# Altium PCB GN-1846-E-V2.PcbDoc (part 6 of 8)
Units mil, origin at the board's own origin, x right, y up, seen from the top; angles counter-clockwise.
Board outline 3750.16 x 2671.81 mil, 4 copper layers (TOP, GND, POWER, BOTTOM), stack 40.359 mil thick; 456 components, 457 nets, 2346 pads, 1495 vias.
Unrouted connection lines stored in the file: 4.
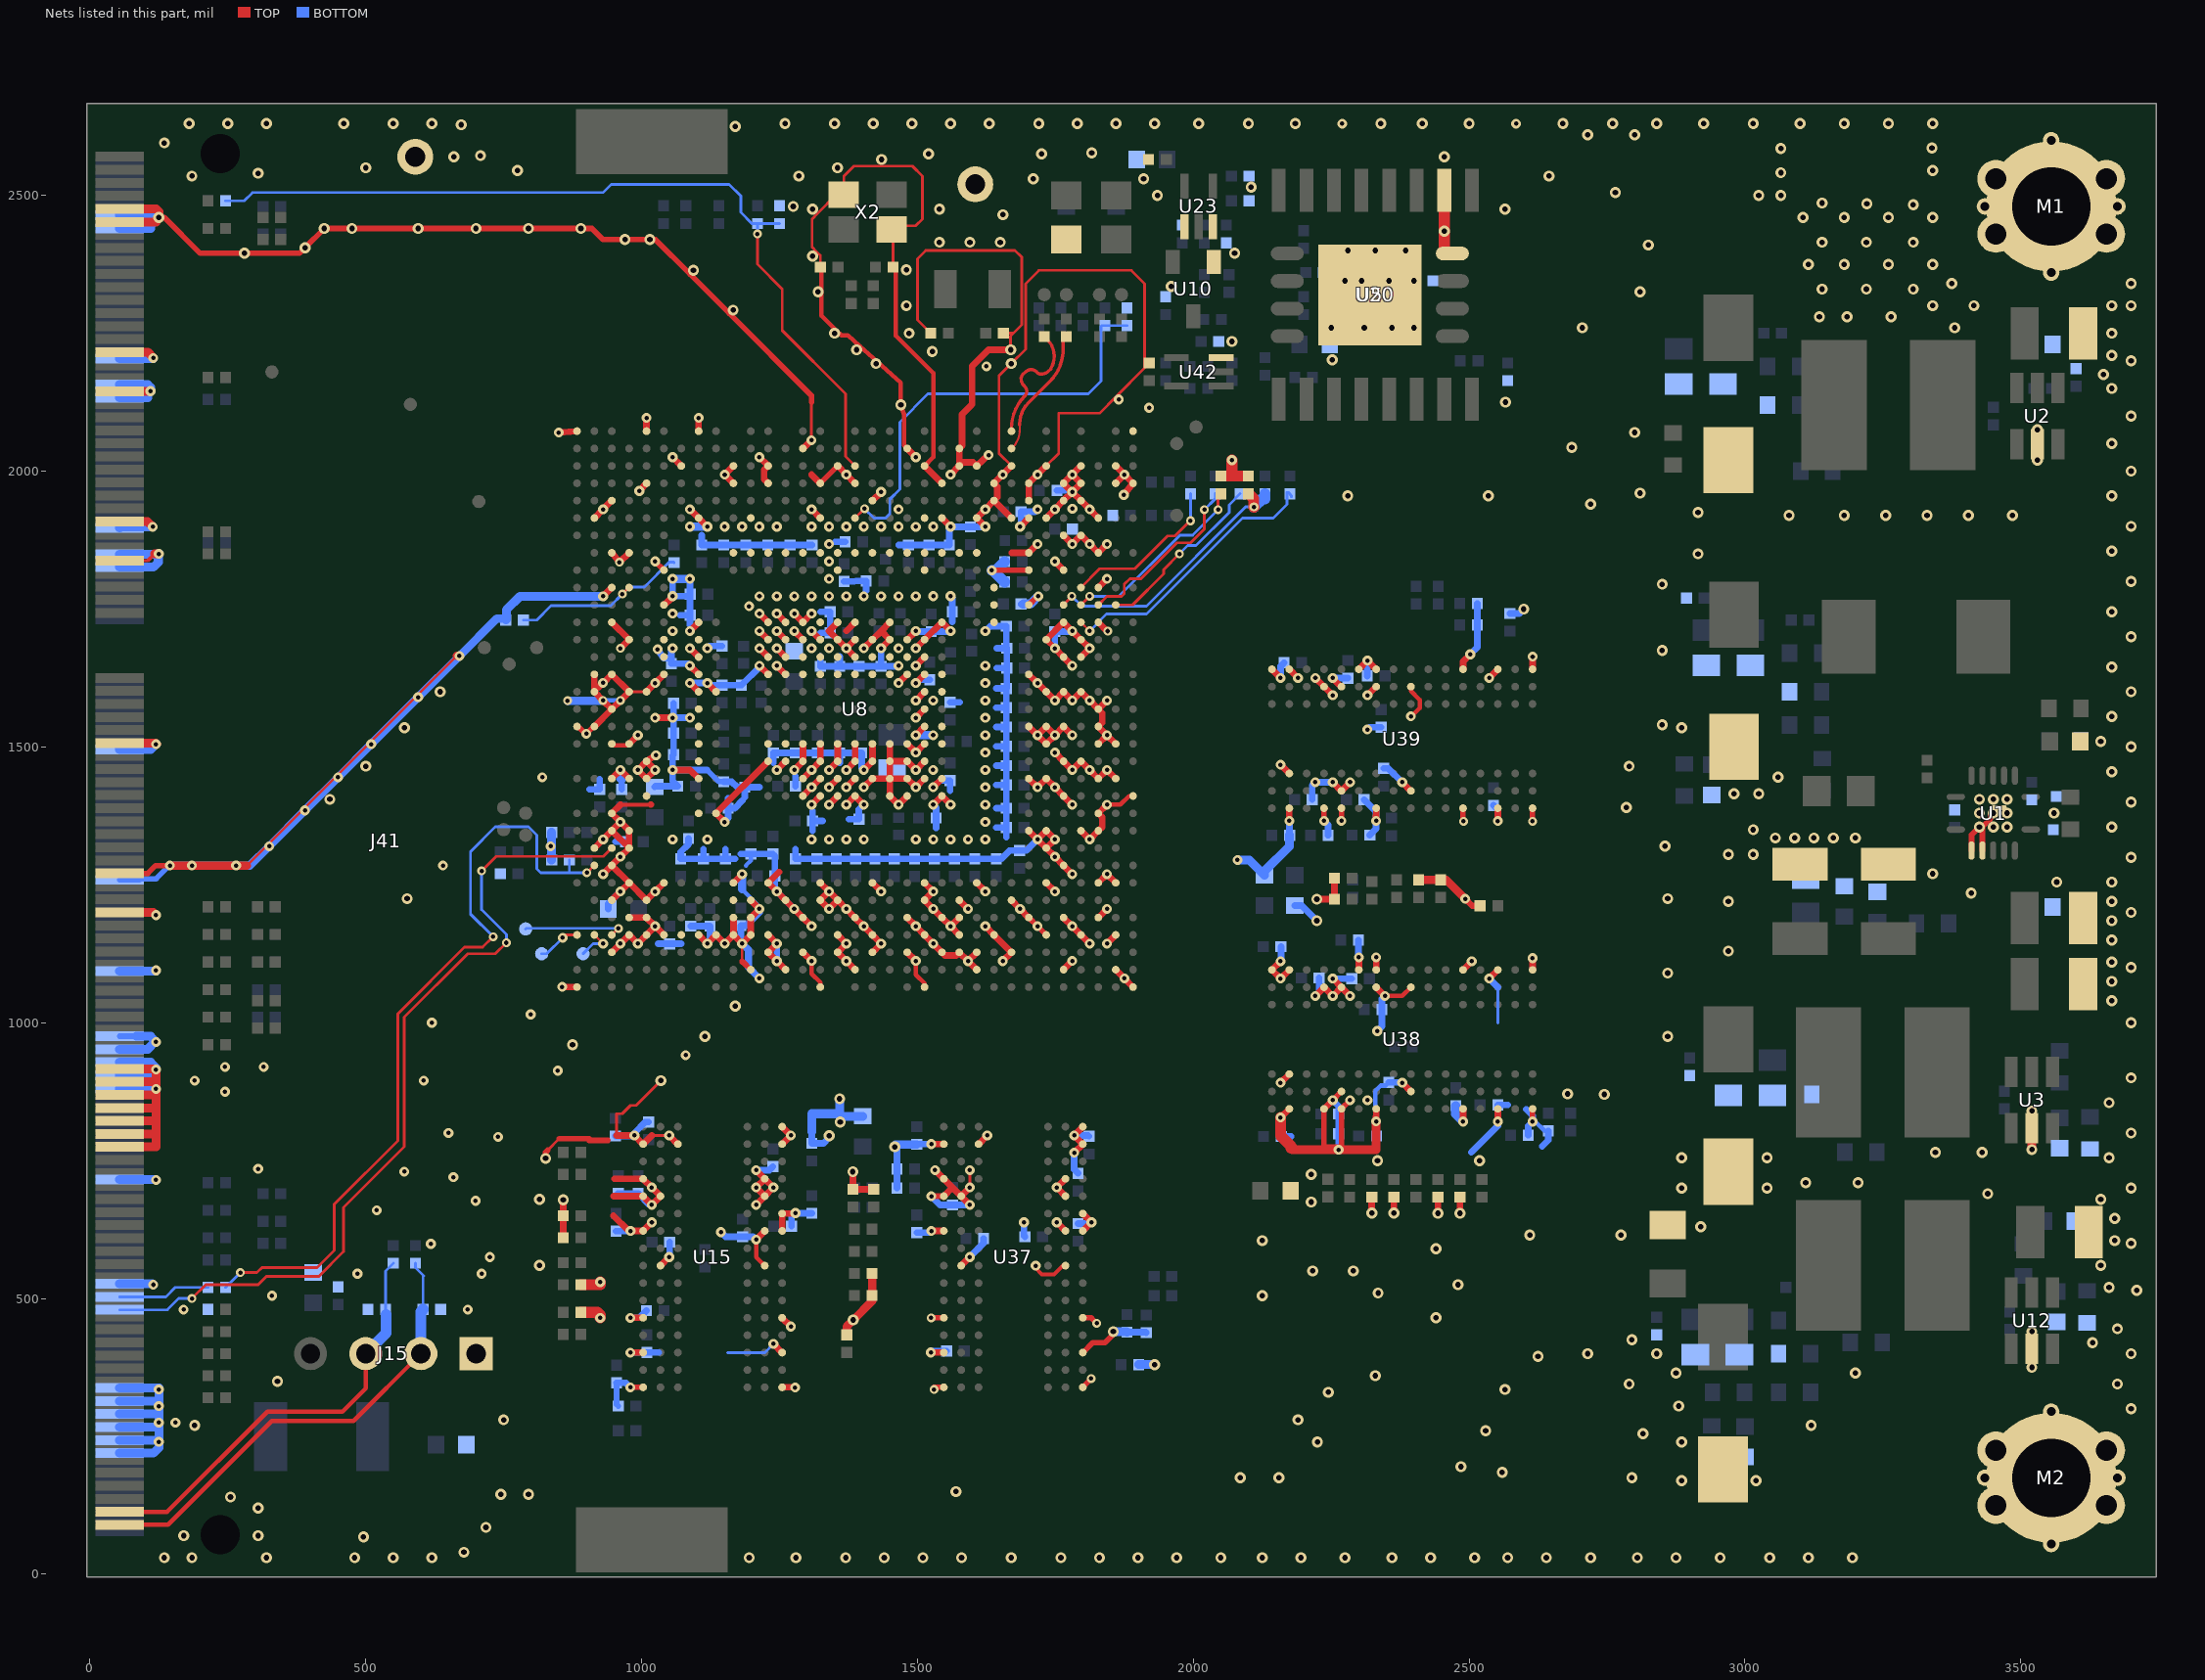
[diagram p8: the nets of this part, all layers, seen from the top]

## Via types
v1: diameter 18, hole 8, TOP to BOTTOM, 763 vias
v2: diameter 20, hole 10, TOP to BOTTOM, 451 vias
v3: diameter 16, hole 8, TOP to BOTTOM, 281 vias

## Nets (pads, with @x,y where several pads share a name; then routed paths per layer and width w, separated by ;. In a path a pad name is that pad's centre, name@x,y a point inside that pad or via, vN(x,y) a via of type N, cw(c..) or ccw(c..) an arc to the next point about the centre after c; other vN are vias at no path point) (continued)
GND: C1.2 C2.2 C3.2 C4.2 C5.2 C6.2 C8.2 C10.2 C11.2 C12.2 C13.2 C14.2 C15.2 C16.2 C22.2 C23.2 C24.2 C25.2 C35.2 C43.2 C45.2 C51.2 C52.2 C54.2 C61.2 C62.2 C68.2 C72.2 C74.2 C75.2 C78.2 C80.2 C81.2 C82.2 C83.2 C88.2 C89.2 C90.2 C91.2 C92.2 C93.2 C94.2 C95.2 C96.2 C97.2 C98.2 C100.2 C101.2 C109.2 C112.2 C124.2 C125.2 C133.2 C135.2 C136.2 C138.2 C140.2 C141.2 C142.2 C143.2 C147.2 C148.2 C149.2 C151.2 C152.2 C153.2 C156.2 C157.2 C159.2 C160.2 C161.2 C163.2 C164.2 C165.2 C166.2 C167.2 C168.2 C169.2 C170.2 C171.2 C172.2 C173.2 C174.2 C175.2 C176.2 C194.2 C197.2 C198.2 C199.2 C200.2 C204.2 C206.2 C207.2 C213.2 C220.2 C237.2 C238.2 C239.2 C240.2 C241.2 C242.2 C243.2 C244.2 C245.2 C246.2 C272.2 C274.2 C275.2 C276.2 C283.2 C307.2 C309.2 C311.2 C312.2 C324.1 C325.1 C356.2 C384.2 C387.2 C388.2 C390.2 C392.2 C394.2 C395.2 C397.2 C398.2 C399.2 C400.2 C401.2 C403.2 C404.2 C405.2 C406.2 C407.2 C408.2 C411.2 C417.2 C424.2 C426.2 C427.2 C428.2 C430.2 C431.2 C434.2 C435.2 C438.2 C442.2 C443.2 C446.2 C447.2 C448.2 C449.2 C450.2 C452.2 C455.2 C456.2 C458.1 C459.1 C460.2 C461.2 C462.2 C467.2 C468.2 C470.2 C471.2 C472.2 C478.2 C480.2 C483.2 C484.2 C486.2 C496.2 C511.2 C525.2 C526.2 C527.2 C555.2 C564.2 C576.2 C578.2 C581.2 C582.2 C583.2 C584.2 C586.2 C587.2 C588.2 C589.2 C590.2 C591.2 C592.2 C593.2 C594.2 C595.2 C597.2 C599.2 C1247.2 C1249.2 C1253.2 C1255.2 C1349.2 C1350.2 C1351.2 C1352.2 D15.2 J4.1 J5.1 J15.1 J41.9 J41.10 J41.11 J41.12 J41.31 J41.32 J41.36 J41.37 J41.38 J41.57 J41.58 J41.62 J41.63 J41.64 J41.83 J41.84 J41.103 J41.104 J41.109 J41.118 J41.128 J41.130 J41.132 J41.133 J41.134 J41.135 J41.136 J41.137 J41.139 J41.141 J41.143 J41.145 J41.150 J41.166 J41.182 J41.184 J41.186 J41.188 J41.190 J41.192 M1.1 M1.2 M1.3 M1.4 M1.5 M1.6 M1.7 M1.8 M1.9 M2.1 M2.2 M2.3 M2.4 M2.5 M2.6 M2.7 M2.8 M2.9 R8.1 R11.1 R13.1 R19.2 R24.2 R39.1 R40.1 R41.1 R80.2 R82.2 R96.2 R106.2 R131.2 R168.1 R169.1 R170.1 R197.2 R198.2 R199.1 R206.2 R219.2 R253.1 R267.2 R269.2 R271.2 R273.2 R276.2 R278.2 R281.2 R282.2 R284.2 R286.2 R289.2 R290.2 R321.2 R322.2 R323.2 R326.1 R335.2 R371.2 R373.2 R689.2 R690.2 R701.2 R702.2 R703.2 U1.2 U1.3 U1.15 U2.2 U3.2 U5.4 U5.9 U8.A1 U8.A16 U8.A33 U8.AA1 U8.AA4 U8.AA6 U8.AA7 U8.AA13 U8.AA14 U8.AA15 U8.AA16 U8.AA17 U8.AA18 U8.AA19 U8.AA20 U8.AA21 U8.AA25 U8.AA26 U8.AA28 U8.AA31 U8.AB3 U8.AB5 U8.AB12 U8.AB13 U8.AB15 U8.AB16 U8.AB18 U8.AB19 U8.AB22 U8.AB26 U8.AB28 U8.AB30 U8.AC3 U8.AC4 U8.AC5 U8.AC6 U8.AC26 U8.AC31 U8.AC32 U8.AD2 U8.AD3 U8.AD7 U8.AD26 U8.AD28 U8.AD31 U8.AE4 U8.AE22 U8.AE23 U8.AE24 U8.AE29 U8.AE30 U8.AF3 U8.AF6 U8.AF28 U8.AF31 U8.AG5 U8.AG10 U8.AG13 U8.AG16 U8.AG19 U8.AG23 U8.AG25 U8.AG26 U8.AG28 U8.AG29 U8.AG30 U8.AH4 U8.AH7 U8.AH9 U8.AH10 U8.AH13 U8.AH15 U8.AH16 U8.AH18 U8.AH21 U8.AH28 U8.AH31 U8.AJ2 U8.AJ5 U8.AJ8 U8.AJ12 U8.AJ14 U8.AJ16 U8.AJ18 U8.AJ20 U8.AJ22 U8.AJ25 U8.AJ27 U8.AJ29 U8.AJ30 U8.AK4 U8.AK10 U8.AK14 U8.AK18 U8.AK20 U8.AK21 U8.AK27 U8.AK29 U8.AK30 U8.AK31 U8.AL5 U8.AL7 U8.AL10 U8.AL11 U8.AL13 U8.AL15 U8.AL16 U8.AL17 U8.AL22 U8.AL24 U8.AL26 U8.AL28 U8.AM2 U8.AM4 U8.AM7 U8.AM13 U8.AM15 U8.AM30 U8.AM31 U8.AN1 U8.AN12 U8.AN30 U8.AN33 U8.B9 U8.B16 U8.B18 U8.B19 U8.B28 U8.C3 U8.C6 U8.C8 U8.C10 U8.C11 U8.C13 U8.C15 U8.C17 U8.C19 U8.C22 U8.C24 U8.C26 U8.C29 U8.D4 U8.D5 U8.D7 U8.D9 U8.D10 U8.D13 U8.D15 U8.D18 U8.D21 U8.D26 U8.E4 U8.E5 U8.E6 U8.E12 U8.E13 U8.E14 U8.E18 U8.E30 U8.E33 U8.F4 U8.F7 U8.F19 U8.F20 U8.F21 U8.F23 U8.F25 U8.G4 U8.G31 U8.H4 U8.H11 U8.H13 U8.H14 U8.H15 U8.H16 U8.H17 U8.H18 U8.H19 U8.H20 U8.H21 U8.H22 U8.H28 U8.H33 U8.J4 U8.J11 U8.J18 U8.K4 U8.K5 U8.K6 U8.K7 U8.K26 U8.K30 U8.K31 U8.L2 U8.L4 U8.L5 U8.L6 U8.L26 U8.L28 U8.M3 U8.M4 U8.M7 U8.M14 U8.M15 U8.M19 U8.M20 U8.M21 U8.M22 U8.M26 U8.M30 U8.M31 U8.N2 U8.N6 U8.N14 U8.N15 U8.N19 U8.N20 U8.N21 U8.N22 U8.N26 U8.P3 U8.P5 U8.P12 U8.P13 U8.P14 U8.P15 U8.P19 U8.P20 U8.P21 U8.P22 U8.P26 U8.P32 U8.R1 U8.R6 U8.R7 U8.R12 U8.R13 U8.R14 U8.R15 U8.R19 U8.R20 U8.R21 U8.R22 U8.R26 U8.R28 U8.R30 U8.T3 U8.T4 U8.T6 U8.T12 U8.T13 U8.T14 U8.T15 U8.T19 U8.T20 U8.T21 U8.T22 U8.T25 U8.T26 U8.T31 U8.U2 U8.U5 U8.U12 U8.U13 U8.U14 U8.U15 U8.U19 U8.U20 U8.U21 U8.U22 U8.U26 U8.U30 U8.V3 U8.V4 U8.V7 U8.V13 U8.V14 U8.V15 U8.V19 U8.V20 U8.V21 U8.V26 U8.V29 U8.W12 U8.W13 U8.W14 U8.W15 U8.W19 U8.W20 U8.W21 U8.W22 U8.W26 U8.Y3 U8.Y5 U8.Y12 U8.Y13 U8.Y14 U8.Y15 U8.Y19 U8.Y20 U8.Y21 U8.Y26 U8.Y32 U10.1 U12.2 U15.A9 U15.B1 U15.B3 U15.B9 U15.D1 U15.D8 U15.E1 U15.E2 U15.E8 U15.F9 U15.G1 U15.G8 U15.G9 U15.J2 U15.J8 U15.M1 U15.M9 U15.P1 U15.P9 U15.T1 U15.T9 U20.10 U23.1 U23.3 U37.A9 U37.B1 U37.B3 U37.B9 U37.D1 U37.D8 U37.E1 U37.E2 U37.E8 U37.F9 U37.G1 U37.G8 U37.G9 U37.J2 U37.J8 U37.M1 U37.M9 U37.P1 U37.P9 U37.T1 U37.T9 U38.A9 U38.B1 U38.B3 U38.B9 U38.D1 U38.D8 U38.E1 U38.E2 U38.E8 U38.F9 U38.G1 U38.G8 U38.G9 U38.J2 U38.J8 U38.M1 U38.M9 U38.P1 U38.P9 U38.T1 U38.T9 U39.A9 U39.B1 U39.B3 U39.B9 U39.D1 U39.D8 U39.E1 U39.E2 U39.E8 U39.F9 U39.G1 U39.G8 U39.G9 U39.J2 U39.J8 U39.M1 U39.M9 U39.P1 U39.P9 U39.T1 U39.T9 U42.3 X2.2 X2.4 | length 30061.1
  TOP w5: v1@115.08,1199.92 v1@117.5,1197.5 ; 285,1285 v1@665,1665 ; 830,769 851,790 ; 954.69,795.69 954.69,824.69 955,825 955,835 965,835 980,850 990,850 v2(1035,895) ; U8.D18@977.5,1600.05 U8.E18@1009,1600.05 ; 1018.59,795.69 v1(1050.1,795.69) ; 1182.21,1112 v1(1182.21,1143.36) ; v1(1308,2056) 1308,2125 ; C458.1@1324,2370 1324,2391 1317.5,2397.5 1309,2406 1309,2457 1318.5,2466.5 1353.5,2501.5 X2.4@1366.69,2501.5 1366.69,2535 1384.69,2553 1435,2553 1491,2553 1509,2535 1509,2457 1497,2445 X2.2@1456,2445 ; C459.1@1456,2370 X2.2@1456,2445 ; C325.1@1524,2250 1500,2274 1500,2385 1515,2400 1677,2400 1689,2388 1689,2265 1674,2250 ; v1(1595.08,701.2) v1(1595.1,732.7) ; C324.1@1656,2250 1674,2250 ; v2(1669,2220) 1669,2245 1674,2250 ; U8.AF31@1670.41,2009.49 1648,2031.9 1648,2173 v2(1670,2195) 1696,2221 1696,2340 1720,2364 1888,2364 1912,2340 1912,2196 1912,2187 1860,2135 1830,2105 1756,2105 1756,2032.08 U8.AH31@1733.41,2009.49 ; X2.2@1446.81,2445 1446,2445 X2.2@1453.31,2438.5 ; X2.2@1446.81,2445 X2.2@1453.31,2438.5 ; X2.2@1446.81,2445 X2.2@1456,2445 ; X2.2@1453.31,2438.5 X2.2@1456,2445
  TOP w6: J41.63@54,1837.72 105,1837.72 v1@117.28,1850
  TOP w7: 961.8,1395.36 1016.66,1395.36 ; v1@1714.47,559.44 1714.47,555.1 1725.87,543.7 1747.69,543.7 1763.46,559.47 U37.J8@1768.31,559.47
  TOP w8: U8.A16@883.01,1537.05 U8.A16@885,1537.05 ; U8.C15@946.01,1505.56 948.58,1503.01 968.82,1503 974.94,1503 U8.D15@977.5,1505.56 ; v1(1207.56,606.71) 1207.56,575.22 U15.J8@1223.31,559.47 ; v1(1308.2,1111.87) 1308.2,1088.8 1323.96,1073.04 U8.R1@1323.96,1064.61 ; C458.1@1324,2370 1326,2368 1326,2325 1326,2282 1354,2254 1362,2246 1374,2246 1395.8,2226.47 1427.64,2197.95 1470,2160 v2(1470,2120) 1470,2119 1476,2103 1476,2046.43 U8.Y32@1481.44,2040.99 ; C459.1@1456,2370 1461,2365 1461,2245.68 1528.68,2178 1528.68,2025.24 U8.AA31@1512.93,2009.49 ; v1(1497.18,1111.87) 1497.18,1087.03 1512.93,1071.28 U8.AA1@1512.93,1064.61 ; v1(1843.63,1395.31) 1868.01,1395.31 1883.77,1411.07 U8.AN12@1890.89,1411.07 ; v1(2347.29,1048.56) 2378.78,1048.56 U38.J8@2394.53,1064.31 ; U39.J8@2394.53,1609.31 2394.52,1601.33 2410.28,1585.57 2410.28,1570.28 2395.52,1555.52 v1(2394.53,1555.52)
  TOP w10: J41.103@54,1270.79 105,1270.79 119.21,1285 v1(145,1285) ; v1@117.5,1197.5 v1(120,1195) ; v1@120,1850 v1(125,1850) ; v2(125,2460) 135,2460 200,2395 v2(280,2395) 380,2395 v2(390,2405) v2(425,2440) v2(475,2440) v2(595,2440) v2(700,2440) v2(795,2440) v2(890,2440) 910,2440 930,2420 v2(970,2420) v2(1015,2420) 1025,2420 1087.5,2357.5 1159.5,2285.5 1308,2137 1308,2125 ; v2(826,754) 826,765 830,769 ; 851,790 905,790 905,786.73 939.5,786.73 ; U8.A16@885,1537.05 900,1522.05 v1(900,1524) 914.51,1538.51 U8.B16@914.51,1537.05 ; v1(979.83,339) U15.T1@1002.84,339 ; v1(1024.75,1836.26) U8.F25@1040.49,1820.52 ; 1182.21,1112 1182.21,1110 1184.08,1110 U8.L2@1197.97,1096.11 ; U8.R30@1323.96,1978 U8.T31@1355.45,2009.49 ; v3(1525,465) U37.M1@1547.84,464.98 ; v1(1525.09,685.47) U37.E1@1547.84,685.46 ; v3(1530,335) 1530,339 U37.T1@1547.84,339 ; v1(1635,1820) 1635.52,1820.52 U8.AG25@1701.91,1820.52 ; U8.AF6@1670.41,1222.09 1685.99,1206.52 U8.AG5@1701.91,1190.6 1717.65,1174.86 U8.AH4@1733.41,1159.1 ; U8.AG23@1701.91,1757.53 1717.38,1773 v1(1719,1773) ; U8.AH21@1733.41,1694.53 v1(1749.14,1678.79) ; U37.T9@1799.8,339 1799.8,339.8 v3(1815,355) ; U37.P9@1799.8,401.99 1817.81,420 1840,420 1855,435 v2(1855,440) ; U37.M9@1799.8,464.98 1815.02,464.98 v3(1825,455) ; U38.D1@2237.05,843.84 2237.05,775 2263.48,775 2268.54,775 U38.E1@2268.54,843.84 v1(2284.28,859.58) ; v1(2237.04,1366.09) U39.D1@2237.05,1388.84 ; v1(2252.8,859.57) U38.E2@2268.54,875.33 ; v1(2268.53,1366.09) U39.E1@2268.54,1388.84 ; U39.M1@2489.02,1388.84 2489.02,1365 v3(2490,1365) ; v1(2615,820.83) U38.T1@2615,843.84 ; v3(2615,1365) U39.T1@2615,1388.84 ; U1.2@3410.63,1312.09 3410.63,1340.63 v2(3425,1355) ; U1.3@3430.32,1312.09 3430.32,1355 3440.16,1364.84 3445,1369.68 3445,1375 v2(3450,1380)
  TOP w12: v1(850,2070) U8.A33@883.01,2072.49 ; v1(856,1065) U8.A1@883.01,1064.61 ; C399.2@858,610 R282.2@858,650 v2(858,679) ; U8.B9@914.51,1316.58 v1(930.25,1332.32) U8.C10@946.01,1348.08 ; U8.B16@914.51,1537.05 U8.C17@946.01,1568.55 ; U8.B18@914.51,1600.05 v3(930.27,1584.29) U8.C17@946.01,1568.55 ; U8.B19@914.51,1631.54 914.51,1608 922,1608 v1(930,1616) 930.47,1616 U8.C19@946.01,1631.54 U8.D18@977.5,1600.05 v3(961.75,1584.29) U8.C17@946.01,1568.55 ; U8.B28@914.51,1915.01 v1(930.27,1930.76) U8.C29@946.01,1946.5 ; v1(930.25,1269.33) U8.C8@946.01,1285.09 ; v1(930.25,1773.26) U8.C24@946.01,1789.02 ; U8.C3@946.01,1127.61 v1(961.75,1143.35) U8.D4@977.5,1159.1 v1(993.26,1143.36) U8.E4@1009,1159.1 v1(1024.75,1174.86) ; U8.C6@946.01,1222.09 v1(961.76,1237.85) U8.D7@977.5,1253.59 ; U8.C13@946.01,1442.57 v1(961.76,1458.32) U8.D13@977.5,1442.57 ; U8.C22@946.01,1726.03 U8.D21@977.5,1694.53 v3(961.72,1678.79) ; U8.C26@946.01,1852.01 v3(960,1835) U8.D26@977.5,1852.01 ; 949,650 976.53,622.47 v1(980.09,622.47) U15.G1@1002.84,622.46 v1(1018.59,638.2) ; 949.46,685.46 U15.E1@1002.84,685.46 v1(1018.58,669.72) U15.E2@1034.33,685.46 v1(1018.57,701.2) U15.D1@1002.84,716.95 950.95,716.95 ; 954.69,795.69 v1(987.1,795.69) U15.B1@1002.84,779.94 1018.59,795.69 ; 961.8,1395.36 U8.C11@946.01,1379.57 v1(961.75,1363.83) ; U8.D5@977.5,1190.6 U8.E5@1009,1190.6 v1(1024.75,1174.86) ; U8.D15@977.5,1505.56 v1(993.26,1521.32) ; v1(979.83,402) U15.P1@1002.84,401.99 ; v1(979.83,464.99) U15.M1@1002.84,464.98 ; v1(996,1964) U8.E30@1009,1978 ; U8.E18@1009,1600.05 v1(1024.75,1615.8) U8.F19@1040.49,1631.54 ; U8.E33@1009,2072.49 v1(1009,2096.49) ; 1016.66,1395.36 1016.7,1395.4 ; v1(1024.74,1552.81) v1(1056.25,1552.8) ; v1(1026,1485) U8.E14@1009,1474.06 ; U15.J2@1034.33,559.47 v1(1050.08,575.21) ; U8.F4@1040.49,1159.1 v1(1024.75,1174.86) ; U8.F7@1040.49,1253.59 v1(1024.75,1237.85) U8.E6@1009,1222.09 U8.D7@977.5,1253.59 ; U8.F23@1040.49,1757.53 v1@1055,1770 ; v1(1050.1,795.69) U15.B3@1065.83,779.94 ; v1(1056.24,1458.32) 1087.74,1458.32 U8.H13@1103.49,1442.57 ; v1(1056.23,2025.25) U8.G31@1071.99,2009.49 ; v1(1087.75,1615.79) U8.H18@1103.49,1600.05 ; v1(1087.75,1647.28) U8.H19@1103.49,1631.54 ; v1(1087.73,1678.8) U8.H20@1103.49,1663.04 ; v1(1087.75,1710.27) U8.H22@1103.49,1726.03 ; v1(1087.74,1930.74) U8.H28@1103.49,1915.01 v1(1119.22,1899.25) ; U8.H4@1103.49,1159.1 v1(1119.24,1143.36) U8.J4@1134.98,1159.1 v1(1150.74,1143.36) U8.K4@1166.48,1159.1 ; U8.H33@1103.49,2072.49 v1(1103.49,2096.49) ; v1(1119.22,1615.79) U8.J18@1134.98,1600.05 ; v1(1150.72,1363.83) U8.J11@1134.98,1379.57 U8.M14@1229.47,1474.06 ; U8.K5@1166.48,1190.6 U8.K4@1166.48,1159.1 ; U8.K7@1166.48,1253.59 v1(1182.22,1269.34) ; U8.K30@1166.48,1978 v1(1150.74,1993.75) U8.K31@1166.48,2009.49 ; U8.L6@1197.97,1222.09 v1(1213.71,1206.35) U8.L5@1197.97,1190.6 U8.L4@1197.97,1159.1 v1(1182.21,1143.36) U8.K4@1166.48,1159.1 ; v1(1207.56,606.71) U15.G8@1223.31,622.46 ; v1(1207.56,669.72) U15.E8@1223.31,685.46 ; v1(1207.58,732.7) U15.D8@1223.31,716.95 ; v1(1213.71,2025.25) U8.M31@1229.47,2009.49 1222,2002.01 1222,1985.47 U8.M30@1229.47,1978 ; v1(1213.73,1647.28) U8.M19@1229.47,1631.54 ; v1(1213.73,1678.78) U8.M20@1229.47,1663.04 ; v1(1213.73,1710.27) U8.M21@1229.47,1694.53 ; v1(1213.73,1741.77) U8.M22@1229.47,1726.03 ; U8.M4@1229.47,1159.1 v1(1245.21,1143.36) U8.M3@1229.47,1127.61 v1(1245.21,1111.86) U8.N2@1260.97,1096.11 ; v1(1239.07,417.73) U15.P9@1254.8,401.99 ; v1(1245.21,1458.3) U8.N14@1260.97,1474.06 ; v1(1245.22,1647.3) U8.N19@1260.97,1631.54 ; v1(1245.22,1710.27) U8.N21@1260.97,1694.53 ; v1(1245.22,1741.77) U8.N22@1260.97,1726.03 ; v1(1245.23,1678.78) U8.N20@1260.97,1663.04 ; 1249,1273.12 U8.M7@1229.47,1253.59 v1(1245.21,1237.85) U8.N6@1260.97,1222.09 v1(1276.7,1206.35) U8.P5@1292.46,1190.6 v1(1308.2,1174.86) ; U15.T9@1254.8,339 v1(1278.41,338.7) ; U15.M9@1254.8,464.98 v1(1270.53,449.24) ; U15.G9@1254.8,622.46 U15.F9@1254.8,653.96 1277.96,653.96 v1(1279,655) ; U15.B9@1254.8,779.94 v1(1270.55,795.68) U15.A9@1254.8,811.44 ; v1(1276.72,1458.32) U8.P14@1292.46,1474.06 U8.P15@1292.46,1505.56 ; v1(1276.72,1710.27) U8.P21@1292.46,1694.53 ; v1(1276.72,1741.77) U8.P22@1292.46,1726.03 v1(1308.2,1741.77) ; U8.P3@1292.46,1127.61 v1(1308.2,1111.87) ; U8.P12@1292.46,1411.07 v1(1308.22,1426.82) U8.R13@1323.96,1442.57 ; U8.P13@1292.46,1442.57 v1(1308.22,1458.32) U8.R14@1323.96,1474.06 U8.R15@1323.96,1505.56 ; U8.P32@1292.46,2040.99 v1(1308,2056) ; 1308,1993.76 U8.R30@1323.96,1978 ; v1(1308.22,1395.33) U8.R12@1323.96,1411.07 ; v1(1308.22,1710.27) U8.R21@1323.96,1694.53 ; v1(1308.22,1930.74) U8.R28@1323.96,1915.01 ; U8.R7@1323.96,1253.59 v1(1339.7,1237.85) ; v1(1339.71,1395.33) U8.T12@1355.45,1411.07 ; v1(1339.71,1426.82) U8.T13@1355.45,1442.57 ; v1(1339.71,1458.32) U8.T14@1355.45,1474.06 U8.T15@1355.45,1505.56 ; U8.T4@1355.45,1159.1 v1(1371.19,1143.36) U8.T3@1355.45,1127.61 v1(1371.2,1111.86) U8.U2@1386.95,1096.11 ; U8.T22@1355.45,1726.03 1339.71,1710.27 U8.T21@1355.45,1694.53 v1(1371.21,1678.78) ; U8.T31@1355.45,2009.49 v1(1371.21,1993.74) U8.U30@1386.95,1978 ; v1(1371.21,1395.33) U8.U12@1386.95,1411.07 v1(1402.7,1395.33) ; v1(1371.21,1426.82) U8.U13@1386.95,1442.57 ; v1(1371.21,1458.32) U8.U14@1386.95,1474.06 U8.U15@1386.95,1505.56 ; 1371.21,1710.29 U8.U22@1386.95,1726.03 ; v2(1383,730) R276.2@1383,698 C397.2@1421,698 ; U8.U20@1386.95,1663.04 v1(1371.21,1678.78) ; U8.U21@1386.95,1694.53 v1(1371.21,1678.78) ; v1(1402.7,1426.82) U8.V13@1418.45,1442.57 U8.W13@1449.94,1442.57 ; v1(1402.7,1458.32) U8.V14@1418.45,1474.06 U8.V15@1418.45,1505.56 ; v1(1402.68,1678.77) U8.V21@1418.45,1694.53 1434.2,1710.27 ; U8.V3@1418.45,1127.61 v1(1434.19,1143.36) U8.V4@1418.45,1159.1 v1(1402.69,1174.86) U8.U5@1386.95,1190.6 v1(1371.19,1206.35) U8.T6@1355.46,1222.07 ; U8.V7@1418.45,1253.59 v1(1434.21,1237.83) ; U8.V29@1418.45,1946.5 v1(1434.21,1962.26) ; v1(1434.18,1678.77) U8.W21@1449.94,1694.53 1434.2,1710.27 ; U8.W15@1449.94,1505.56 U8.W14@1449.94,1474.06 ; U8.W22@1449.94,1726.03 1434.2,1710.27 ; v1(1465.68,1615.78) U8.Y19@1481.44,1631.54 ; U8.Y3@1481.44,1127.61 v1(1497.18,1111.87) ; U8.Y5@1481.44,1190.6 v1(1497.2,1174.84) ; U8.Y12@1481.44,1411.07 v1(1465.7,1395.33) U8.W12@1449.94,1411.07 U8.W13@1449.94,1442.57 ; U8.Y15@1481.44,1505.56 v1(1497.19,1489.82) U8.AA15@1512.93,1505.56 ; U8.Y21@1481.44,1694.53 v1(1497.2,1710.29) ; U8.Y32@1481.44,2040.99 v1(1497.19,2025.23) ; v1(1497.2,1174.84) U8.AA4@1512.93,1159.1 ; v1(1497.17,1647.28) U8.AA20@1512.93,1663.04 ; v1(1497.17,1678.77) U8.AA21@1512.93,1694.53 U8.AB22@1544.43,1726.03 v1(1560.18,1710.28) ; v1(1497.19,1521.31) U8.AA16@1512.93,1537.05 ; v1(1497.19,1552.81) U8.AA17@1512.93,1568.55 ; v1(1497.19,1584.3) U8.AA18@1512.93,1600.05 ; v1(1497.19,1615.8) U8.AA19@1512.93,1631.54 ; U8.AA4@1512.93,1159.1 v1(1528.67,1143.36) U8.AB3@1544.43,1127.61 1550,1122.04 1570.28,1121.96 U8.AC3@1575.93,1127.61 v1(1591.66,1111.85) ; U8.AA7@1512.93,1253.59 v1(1528.67,1237.85) U8.AA6@1512.93,1222.09 v1(1528.69,1206.34) U8.AB5@1544.43,1190.6 v1(1560.17,1174.84) ; U8.AA13@1512.93,1442.57 v1(1497.19,1426.82) U8.Y13@1481.44,1442.57 U8.W13@1449.94,1442.57 ; U8.AA14@1512.93,1474.06 v1(1497.19,1458.32) U8.Y14@1481.44,1474.06 U8.W14@1449.94,1474.06 ; U8.AA31@1512.93,2009.49 U8.AB30@1544.43,1978 ; v1(1524.2,402.08) U37.P1@1547.84,401.99 ; v1(1525.09,622.47) U37.G1@1547.84,622.46 ; v1(1525.09,779.95) U37.B1@1547.84,779.94 ; v1(1528.59,1395.33) U8.AB12@1544.43,1411.07 v1(1560.17,1395.33) ; v1(1528.59,1426.82) U8.AB13@1544.43,1442.57 ; v1(1532.1,732.69) U37.D1@1547.84,716.95 1563.4,701.39 ; U8.AB28@1544.43,1915.01 v1(1560.19,1899.25) ; U37.E1@1547.84,685.46 1563.4,701.02 1563.4,701.39 ; v1(1560.17,1993.73) U8.AC31@1575.93,2009.49 ; U8.AC4@1575.93,1159.1 v1(1560.17,1174.84) ; U8.AC5@1575.93,1190.6 v1(1560.17,1174.84) ; U8.AC6@1575.93,1222.09 v1(1591.69,1206.33) ; U37.J2@1579.33,559.47 v1(1595.08,575.21) ; v1(1595.07,669.71) U37.E2@1579.33,685.46 ; v1(1595.08,701.2) U37.E2@1579.33,685.46 ; U8.AD2@1607.42,1096.11 v1(1591.66,1111.85) ; U8.AD3@1607.42,1127.61 v1(1591.66,1111.85) ; U8.AD7@1607.42,1253.59 v1(1623.18,1237.83) ; U37.B3@1610.83,779.94 v1(1626.57,795.68) ; v1(1623.16,1899.25) U8.AD28@1607.42,1915.01 v1(1623.16,1930.74) U8.AE29@1638.92,1946.5 ; v1(1623.18,1174.84) U8.AE4@1638.92,1159.1 U8.AF3@1670.41,1127.61 v1(1654.65,1111.85) ; v1(1629,2029) U8.AD31@1607.42,2009.49 1600.91,2016 1582.44,2016 U8.AC31@1575.93,2009.49 ; v2(1669,2220) 1629,2220 1599,2190 1599,2121 1581,2103 1581,2046.06 U8.AC32@1575.93,2040.99 U8.AC31@1575.93,2009.49 ; U8.AF6@1670.41,1222.09 1685.99,1206.52 v1(1686.15,1206.36) U8.AG5@1701.91,1190.6 ; U8.AF28@1670.41,1915.01 U8.AE29@1638.92,1946.5 ; U8.AF31@1670.41,2009.49 v1(1654.67,1993.75) U8.AE30@1638.92,1978 1645,1971.92 1645,1952.58 U8.AE29@1638.92,1946.5 ; 1671.01,1852.01 U8.AG26@1701.91,1852.01 v1(1717.65,1867.75) ; v1(1686.15,1899.25) U8.AG28@1701.91,1915.01 ; U8.AG10@1701.91,1348.08 v1(1717.65,1332.34) ; U8.AG13@1701.91,1442.57 v1(1717.67,1426.81) U8.AH13@1733.41,1442.57 1749.17,1426.82 U8.AJ12@1764.9,1411.07 v1(1780.66,1395.31) ; U8.AG16@1701.91,1537.05 v1(1717.65,1521.31) ; U8.AG19@1701.91,1631.54 v1(1717.67,1615.78) U8.AH18@1733.41,1600.05 v1(1749.17,1584.29) U8.AJ18@1764.9,1600.05 v1(1780.66,1584.29) U8.AK18@1796.4,1600.05 v1(1812.16,1584.29) 1811.23,1585.64 1826.99,1569.89 U8.AL17@1829.23,1569.89 ; U8.AG29@1701.91,1946.5 U8.AG30@1701.91,1978 v1(1717.67,1993.75) U8.AH31@1733.41,2009.49 ; U8.AH7@1733.41,1253.59 v1(1749.17,1237.83) ; U8.AH21@1733.41,1694.53 U8.AJ22@1764.9,1726.03 v1(1780.64,1710.29) U8.AK21@1796.4,1694.53 v1(1812.14,1678.79) U8.AK20@1796.4,1663.04 ; U8.AH28@1733.41,1915.01 v1(1749.14,1930.74) U8.AJ29@1764.9,1946.5 v1(1780.64,1962.24) ; v1(1749.14,1489.82) U8.AJ14@1764.9,1474.06 v1(1780.66,1458.3) U8.AK14@1796.4,1474.06 v1(1812.14,1458.32) U8.AL13@1827.89,1442.57 v1(1843.63,1458.31) U8.AM13@1859.39,1442.57 ; v1(1749.14,1678.79) U8.AJ20@1764.9,1663.04 v1(1780.66,1647.3) ; v1(1749.14,1836.28) U8.AJ25@1764.9,1820.52 ; v1(1752.57,638.2) U37.G8@1768.31,622.46 ; U8.AJ2@1764.9,1096.11 v1(1780.66,1111.87) ; U8.AJ5@1764.9,1190.6 v1(1780.64,1174.86) U8.AK4@1796.4,1159.1 v1(1812.16,1143.34) ; U8.AJ27@1764.9,1883.51 1780.65,1867.76 U8.AK27@1796.4,1883.51 v1(1812.16,1867.75) U8.AL26@1827.89,1852.01 v1(1843.65,1867.77) ; U37.E8@1768.31,685.46 v1(1752.57,701.2) U37.D8@1768.31,716.95 ; v1(1780.66,1269.33) U8.AJ8@1764.9,1285.09 v1(1749.15,1300.84) U8.AH9@1733.41,1316.58 ; v1(1780.66,1521.29) U8.AJ16@1764.9,1537.05 v1(1749.17,1521.29) ; v1(1784.06,764.21) U37.B9@1799.8,779.94 v1(1784.06,795.71) U37.A9@1799.8,811.44 ; U8.AK10@1796.4,1348.08 1812.14,1332.33 U8.AL10@1827.89,1348.08 1835.14,1355.33 1835.14,1372.32 U8.AL11@1827.89,1379.57 v1(1843.63,1395.31) ; U8.AK31@1796.4,2009.49 v1(1780.64,1993.74) ; U37.G9@1799.8,622.46 v1(1815.54,638.19) U37.F9@1799.8,653.96 ; U8.AL16@1827.89,1537.05 v1(1843.63,1521.31) ; U8.AL5@1827.89,1190.6 v1(1843.65,1206.36) ; U8.AL7@1827.89,1253.59 v1(1843.63,1269.33) U8.AM7@1859.39,1253.59 ; U8.AL15@1827.89,1505.56 v1(1843.63,1521.31) ; U8.AL16@1827.89,1537.05 1835,1544.16 1835,1561.44 U8.AL17@1827.89,1568.55 U8.AL17@1829.23,1569.89 ; U8.AL22@1827.89,1726.03 1843.65,1710.28 v3(1845,1710) ; U8.AL24@1827.89,1789.02 v1(1843.65,1804.78) ; U8.AL28@1827.89,1915.01 v1(1812.15,1930.75) U8.AK29@1796.4,1946.5 v1(1780.64,1962.24) ; v1(1843.63,1143.34) U8.AM4@1859.39,1159.1 ; v1(1843.65,1584.31) U8.AL17@1829.23,1569.89 ; U8.AM2@1859.39,1096.11 v1(1875.14,1080.36) U8.AN1@1890.89,1064.61 ; U8.AM15@1859.39,1505.56 v1(1843.63,1521.31) ; U8.AM30@1859.39,1978 v1(1875.13,1993.74) ; U8.AM31@1859.39,2009.49 v1(1875.13,1993.74) ; v1(1874,1957) U8.AN30@1890.89,1978 ; U8.AN30@1890.89,1978 v1(1875.13,1993.74) ; U39.A9@2142.56,1640.8 v1(2158.31,1625.06) ; v1(2158.31,828.1) U38.B1@2174.06,843.84 ; v1(2158.31,891.1) U38.B3@2174.06,906.83 ; v1(2158.31,1111.54) U38.A9@2142.56,1095.8 v1(2158.3,1080.06) U38.B9@2174.06,1095.8 ; v1(2158.33,1467.59) U39.B3@2174.06,1451.83 ; v1(2174.05,1366.09) U39.B1@2174.06,1388.84 ; U39.B9@2174.06,1640.8 v1(2189.81,1625.06) ; v1(2221.3,1048.58) U38.D8@2237.05,1064.31 v1(2252.79,1048.57) U38.E8@2268.54,1064.31 ; v1(2221.31,1625.06) U39.D8@2237.05,1609.31 v1(2252.79,1593.57) ; v2(2224,1224) R284.2@2256,1224 C405.2@2256,1262 ; U38.D1@2237.05,843.84 v1(2252.8,859.57) ; v1(2252.8,1080.06) U38.E8@2268.54,1064.31 ; v1(2252.8,1436.08) U39.E2@2268.54,1420.33 v1(2284.29,1436.07) ; v1(2252.8,1625.06) 2252.8,1623.87 2267.36,1609.31 U39.E8@2268.54,1609.31 ; v1(2284.28,1048.56) U38.E8@2268.54,1064.31 ; U38.F9@2300.04,1095.8 v1(2300.05,1118.55) ; U39.F9@2300.04,1640.8 v1(2315.81,1656.54) U39.G9@2331.54,1640.8 ; v1(2315.79,1593.57) U39.G8@2331.54,1609.31 ; v2(2323.52,654.82) R290.2@2323.52,683.82 ; v1(2331.53,821.09) U38.G1@2331.54,843.84 ; U38.G8@2331.54,1064.31 v1(2347.29,1048.56) ; U38.G9@2331.54,1095.8 v1(2331.55,1118.55) ; v1(2331.53,1366.09) U39.G1@2331.54,1388.84 ; v2(2363.52,654.82) C407.2@2363.52,683.82 ; v1(2378.78,891.09) U38.J2@2394.53,875.33 ; v1(2378.78,1436.09) U39.J2@2394.53,1420.33 ; v2(2443.48,654.62) R273.2@2443.48,683.62 ; v2(2483.48,654.62) R271.2@2483.48,683.62 ; v1(2489.01,820.83) U38.M1@2489.02,843.84 ; U38.M9@2489.02,1095.8 v1(2504.76,1111.53) ; U39.M9@2489.02,1640.8 2489.02,1654.84 v1(2502.01,1667.83) ; v1(2492.92,1224.72) 2505.64,1212 C483.2@2520,1212 ; v1(2536.27,1080.07) U38.P9@2552.01,1095.8 ; v1(2536.27,1625.07) U39.P9@2552.01,1640.8 ; v1(2552,820.83) U38.P1@2552.01,843.84 ; v1(2552,1365.83) U39.P1@2552.01,1388.84 ; U38.T9@2615,1095.8 v1(2615,1117) ; U39.T9@2615,1640.8 2615,1663.68 v1(2615.13,1663.81) ; U8.C8@946.01,1285.09 v1(961.76,1300.84) U8.D9@977.5,1316.58 ; U8.C8@946.01,1285.09 U8.D7@977.5,1253.59 ; U8.C10@946.01,1348.08 v1(961.75,1363.83) ; U8.C10@946.01,1348.08 U8.D9@977.5,1316.58 ; v1(961.75,1363.83) U8.D10@977.5,1348.08 U8.D9@977.5,1316.58 ; U8.E14@1009,1474.06 v1(993.25,1458.32) U8.E13@1009,1442.57 v1(1024.74,1458.32) U8.E14@1009,1474.06 ; U15.E8@1223.31,685.46 v1(1207.57,701.21) U15.D8@1223.31,716.95 ; U15.E8@1223.31,685.46 v1(1239.06,701.2) U15.D8@1223.31,716.95 ; v1(1339.7,1237.85) U8.T6@1355.45,1222.09 ; v1(1339.7,1237.85) U8.R6@1323.96,1222.09 v1(1339.72,1206.33) U8.T6@1355.46,1222.07 ; U8.W13@1449.94,1442.57 U8.W14@1449.94,1474.06 ; 1563.4,701.39 U37.E2@1579.33,685.46 ; v1(1717.65,1332.34) U8.AH9@1733.41,1316.58 ; v1(1717.65,1332.34) U8.AH10@1733.41,1348.08 v1(1749.15,1332.34) U8.AH9@1733.41,1316.58 ; v1(1717.65,1521.31) U8.AH15@1733.41,1505.56 v1(1749.17,1521.29) ; v1(1717.65,1521.31) U8.AH16@1733.41,1537.05 v1(1749.17,1521.29) ; v1(1780.64,1962.24) U8.AJ30@1764.9,1978 v1(1780.64,1993.74) ; v1(1780.64,1962.24) U8.AK30@1796.4,1978 v1(1780.64,1993.74)